# Altium PCB mod_duo_dwarf.PcbDoc (part 1 of 3) (continued)
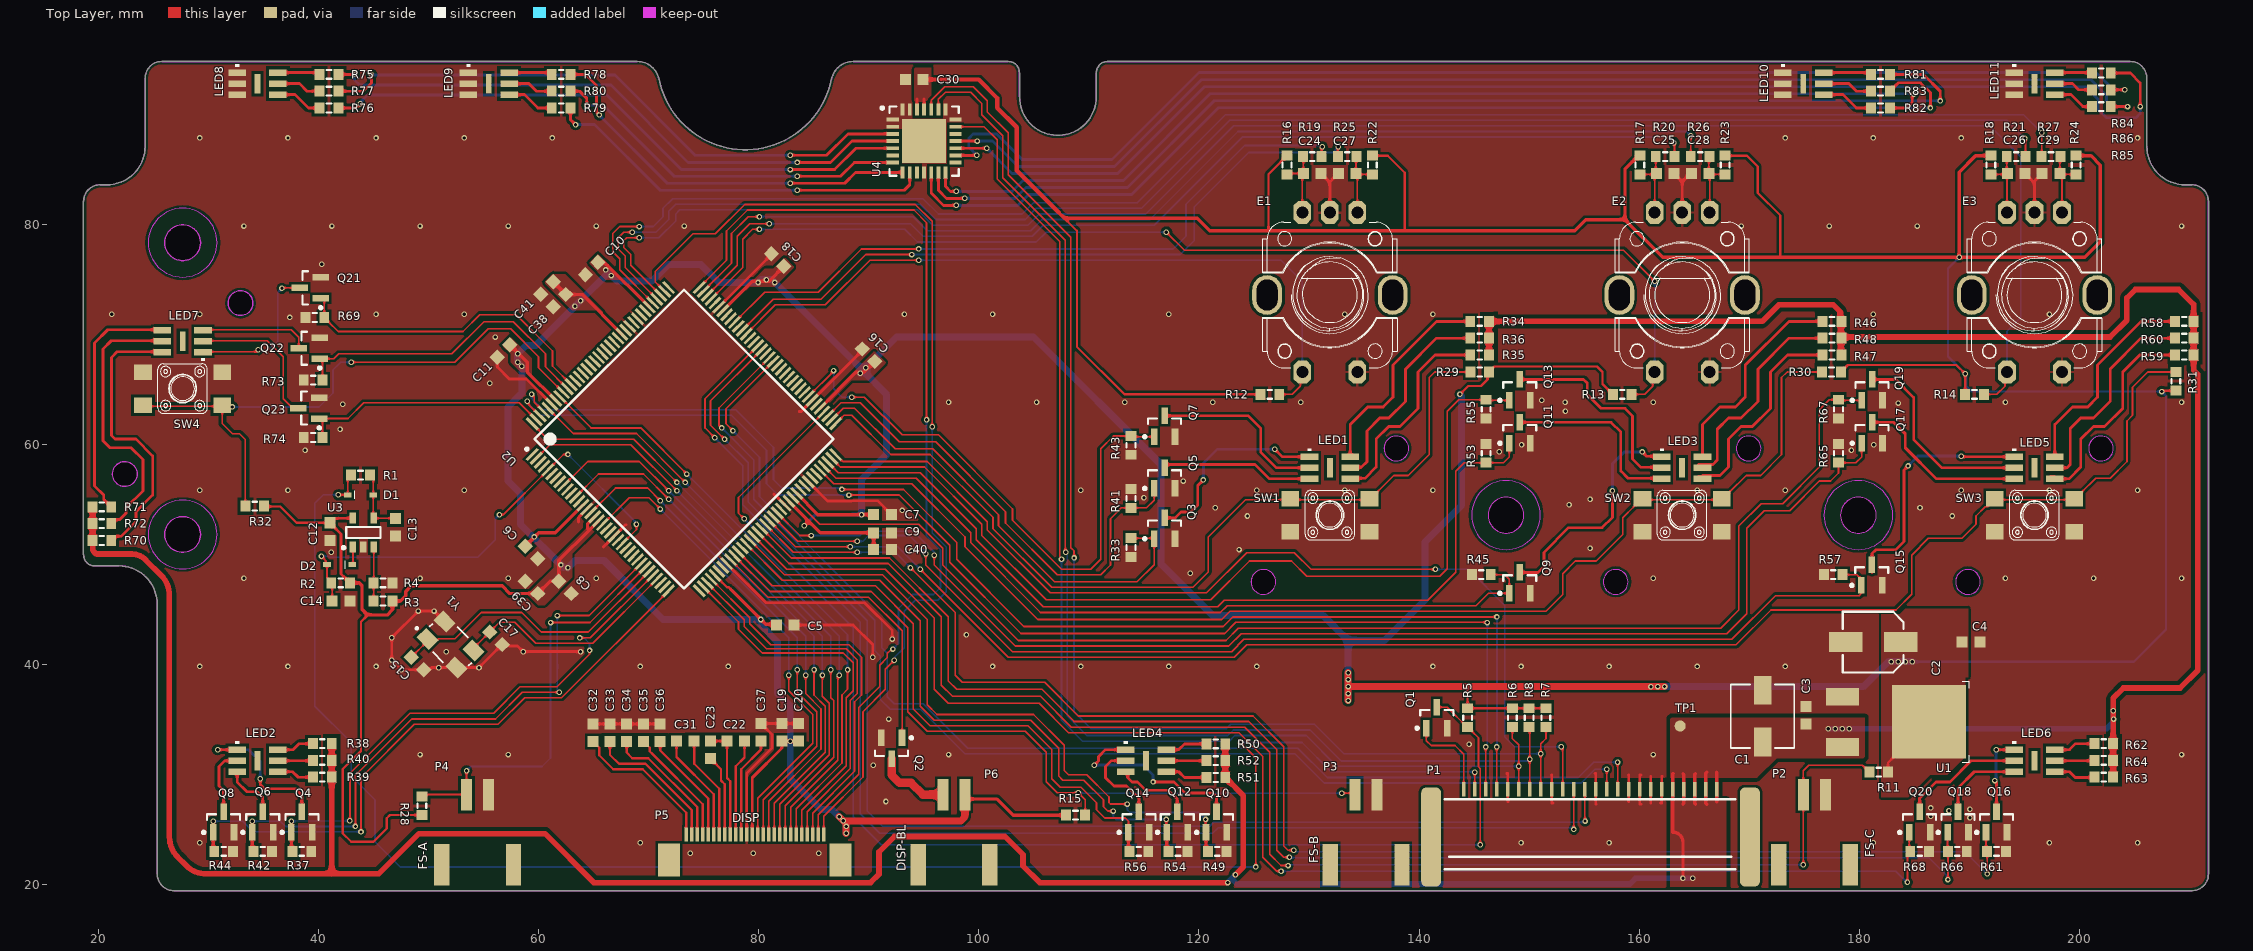
[diagram p0: Top Layer view]
## Part data (continued)
C13 C19: library part GRM188R61A106KE69D, "CAP CER 10UF 10V X5R 0603", Case/Package=0603, Case Code (Metric)=1608, Dielectric=X5R, Manufacturer 1=Murata, Max Operating Temperature=85°C, Min Operating Temperature=-55°C, Supplier Part Number 1=490-10474-1-ND, Tolerance=10%, Voltage=10V, Capacitance=10uF, Case Code (Imperial)=0603, Depth=0.8mm, Height=0.8mm, Lead Free="Lead Free", Length=1.6mm, Manufacturer Part Number 1=GRM188R61A106KE69D, Mount="Surface Mount", Packaging="Tape and Reel", Pricing 1="1=0.22, 10=0.149, 100=0.0754, 500=0.05158, 1000=0.04563 (USD)", REACH SVHC="No SVHC", Stock 1=40000, Supplier 1=Digi-Key, Thickness=0.037inch, Voltage Rating=10V, Voltage Rating (DC)=10V, Width=0.031inch
C15 C17: library part C1608NP01H390J080AA, "CAP CER 39PF 50V NP0 0603", Case/Package=0603, Case Code (Metric)=1608, Dielectric=C0G, Manufacturer 1=TDK, Max Operating Temperature=150°C, Min Operating Temperature=-55°C, Package Quantity=4000, Supplier Part Number 1=445-14077-1-ND, Tolerance=5%, Voltage Rating=50V, Capacitance=39pF, Case Code (Imperial)=0603, Height=0.8mm, Length=0.063inch, Manufacturer Part Number 1=C1608NP01H390J080AA, Mount="Surface Mount", Packaging="Tape and Reel", Pricing 1="1=0.15, 10=0.106, 100=0.05, 500=0.03508, 1000=0.02904 (USD)", Stock 1=1503, Supplier 1=Digi-Key, Termination=SMD/SMT, Thickness=0.035inch, Voltage Rating (DC)=50V, Weight=7.1E-05oz, Width=0.031inch
C22 C23 C31 C32 C33 C34 C35 C36 C37: library part CL10A105KL8NNNC, "CAP CER 1UF 35V X5R 0603", Capacitance="1 µF", Case Size/Dimension=0603, Dielectric=X5R, Manufacturer 1=Samsung, Rated Voltage="35 V", Supplier Part Number 1=1276-1861-1-ND, Tolerance (%)="±10 %", ComponentLink1Description=https://datasheet.ciiva.com/25773/cl10a105kl8nnnc-25773809.pdf, ComponentLink1URL=https://datasheet.ciiva.com/25773/cl10a105kl8nnnc-25773809.pdf, ComponentLink2Description=https://datasheet.ciiva.com/16202/clseries-16202344.pdf, ComponentLink2URL=https://datasheet.ciiva.com/16202/clseries-16202344.pdf, Description 1="1µF ±10% 35V X5R Ceramic Capacitor -55°C ~ 85°C Surface Mount, MLCC 0603 (1608 Metric) 0.063\" L x 0.031\" W (1.60mm x 0.80mm)", Manufacturer Part Number 1=CL10A105KL8NNNC, Pricing 1="1=0.16, 10=0.117, 100=0.055, 500=0.0386, 1000=0.0319 (USD)", Stock 1=65224, Supplier 1=Digi-Key
C24 C25 C26 C27 C28 C29: library part 06035C-103KAT2A, "CAP CER 10000PF 50V X7R 0603", Capacitance=10nF, Case/Package=0603, Case Code (Metric)=1608, Dielectric=X7R, Dielectric Material=Ceramic, Insulation Resistance=100GR, Manufacturer 1="Kyocera AVX", Max Operating Temperature=125°C, Min Operating Temperature=-55°C, Package Quantity=1, Supplier Part Number 1=478-1227-1-ND, Tolerance=10%, Voltage=50V, Case Code (Imperial)=0603, ComponentLink1Description=https://datasheet.ciiva.com/1124/1679506-1124848.pdf, ComponentLink1URL=https://datasheet.ciiva.com/1124/1679506-1124848.pdf, ComponentLink2Description=https://datasheet.ciiva.com/2987/cx7r-2987824.pdf, ComponentLink2URL=https://datasheet.ciiva.com/2987/cx7r-2987824.pdf, ComponentLink3Description=https://datasheet.ciiva.com/150/cx7r-150227.pdf, ComponentLink3URL=https://datasheet.ciiva.com/150/cx7r-150227.pdf, ComponentLink4Description=https://datasheet.ciiva.com/150/cx7r-150228.pdf, ComponentLink4URL=https://datasheet.ciiva.com/150/cx7r-150228.pdf, ComponentLink5Description=https://datasheet.ciiva.com/150/cx7r-150229.pdf, ComponentLink5URL=https://datasheet.ciiva.com/150/cx7r-150229.pdf, ComponentLink6Description=https://datasheet.ciiva.com/16209/cx7r-16209238.pdf, ComponentLink6URL=https://datasheet.ciiva.com/16209/cx7r-16209238.pdf, ComponentLink7Description=https://datasheet.ciiva.com/15212/getdatasheetpartid-87506-15212295.pdf, ComponentLink7URL=https://datasheet.ciiva.com/15212/getdatasheetpartid-87506-15212295.pdf, ComponentLink8Description=https://datasheet.ciiva.com/5423/cx7r-218113-5423178.pdf, ComponentLink8URL=https://datasheet.ciiva.com/5423/cx7r-218113-5423178.pdf, ComponentLink9Description=https://datasheet.ciiva.com/7855/1679506-7855082.pdf, ComponentLink9URL=https://datasheet.ciiva.com/7855/1679506-7855082.pdf, ComponentLink10Description=https://datasheet.ciiva.com/14585/70001075-14585146.pdf, ComponentLink10URL=https://datasheet.ciiva.com/14585/70001075-14585146.pdf, ComponentLink11Description=https://datasheet.ciiva.com/25901/cx7r-25901100.pdf, ComponentLink11URL=https://datasheet.ciiva.com/25901/cx7r-25901100.pdf, ComponentLink12Description=https://datasheet.ciiva.com/1124/1679506-1124847.pdf, ComponentLink12URL=https://datasheet.ciiva.com/1124/1679506-1124847.pdf, ComponentLink13Description=https://datasheet.ciiva.com/2987/cx7r-2987823.pdf, ComponentLink13URL=https://datasheet.ciiva.com/2987/cx7r-2987823.pdf, Contact Plating=Tin,Matte, Depth=0.81mm, Dissipation Factor=2.5%, Height=0.9mm, Lead Free="Lead Free", Length=1.6mm, Manufacturer Part Number 1=06035C-103KAT2A, Mount="Surface Mount,PCB", Number of Pins=2, Packaging="Tape and Reel", Pricing 1="1=0.1, 10=0.075, 100=0.0334, 500=0.02388, 1000=0.01877 (USD)", Radiation Hardening=No, REACH SVHC="No SVHC", Stock 1=40000, Supplier 1=Digi-Key, Termination=SMD/SMT, Thickness=0.035inch, Voltage Rating=50V, Voltage Rating (DC)=50V, Width=0.032inch
C40 C41: library part CL10A225KP8NNNC, "CAP CER 2.2UF 10V X5R 0603", Case/Package=0603, Case Code (Metric)=1608, Dielectric=X5R, Manufacturer 1=Samsung, Max Operating Temperature=85°C, Min Operating Temperature=-55°C, Package Quantity=1, Supplier Part Number 1=1276-1085-1-ND, Tolerance=10%, Voltage=10V, Capacitance=2.2uF, Case Code (Imperial)=0603, ComponentLink1Description=https://datasheet.ciiva.com/25799/cl10a225kp8nnnc-25799697.pdf?src-supplier=Digi-Key, ComponentLink1URL=https://datasheet.ciiva.com/25799/cl10a225kp8nnnc-25799697.pdf?src-supplier=Digi-Key, ComponentLink2Description=https://datasheet.ciiva.com/26838/getdatasheetpartid-358617-26838359.pdf?src-supplier=Verical, ComponentLink2URL=https://datasheet.ciiva.com/26838/getdatasheetpartid-358617-26838359.pdf?src-supplier=Verical, ComponentLink3Description=https://datasheet.ciiva.com/29198/457945-da-01-en-vs-kondensator-0603-29198592.pdf?src-supplier=Conrad, ComponentLink3URL=https://datasheet.ciiva.com/29198/457945-da-01-en-vs-kondensator-0603-29198592.pdf?src-supplier=Conrad, Depth=0.8mm, Height=0.8mm, Lead Free="Lead Free", Length=1.6mm, Manufacturer Part Number=CL10A225KP8NNNC, Material=Ceramic, Mount="Surface Mount", Packaging="Tape and Reel", Pricing 1="1=0.10000, 10=0.07600, 100=0.03400, 500=0.02426, 1000=0.01906 (USD)", Radiation Hardening=No, RoHS=Yes, Stock 1=320107, Supplier 1=Digi-Key, Thickness=0.035inch, Voltage Rating=10V, Voltage Rating (DC)=10V, Width=0.031inch
D1 D2: library part 1N4148WS-7-F, "DIODE SWITCHING 75V 0.15A SOD323", Average Rectified Current=150mA, Capacitance=2pF, Current=2A, Forward Current=300mA, Forward Voltage=1.25V, Manufacturer 1=Diodes, Max Operating Temperature=150°C, Max Repetitive Reverse Voltage (Vrrm)=75V, Min Operating Temperature=-65°C, Package Quantity=3000, Peak Reverse Current=1uA, Power Dissipation=200mW, Supplier Part Number 1=1N4148WS-FDICT-ND, ComponentLink1Description=https://datasheet.ciiva.com/16199/ds30097-16199061.pdf, ComponentLink1URL=https://datasheet.ciiva.com/16199/ds30097-16199061.pdf, ComponentLink2Description=https://datasheet.ciiva.com/16472/ds30097-16472599.pdf, ComponentLink2URL=https://datasheet.ciiva.com/16472/ds30097-16472599.pdf, ComponentLink3Description=https://datasheet.ciiva.com/1179/ds30097-1179355.pdf, ComponentLink3URL=https://datasheet.ciiva.com/1179/ds30097-1179355.pdf, ComponentLink4Description=https://datasheet.ciiva.com/8300/ds30097-8300396.pdf, ComponentLink4URL=https://datasheet.ciiva.com/8300/ds30097-8300396.pdf, ComponentLink5Description=https://datasheet.ciiva.com/911/ds30097-911741.pdf, ComponentLink5URL=https://datasheet.ciiva.com/911/ds30097-911741.pdf, ComponentLink6Description=https://datasheet.ciiva.com/911/ds30097-911742.pdf, ComponentLink6URL=https://datasheet.ciiva.com/911/ds30097-911742.pdf, ComponentLink7Description=https://datasheet.ciiva.com/25946/ds30097-25946926.pdf, ComponentLink7URL=https://datasheet.ciiva.com/25946/ds30097-25946926.pdf, ComponentLink8Description=https://datasheet.ciiva.com/911/ds30097-911743.pdf, ComponentLink8URL=https://datasheet.ciiva.com/911/ds30097-911743.pdf, Contact Plating=Tin,Matte, Current Rating=150mA, Element Configuration=Single, Height=1mm, Lead Free="Lead Free", Length=1.8mm, Manufacturer Part Number 1=1N4148WS-7-F, Max Forward Surge Current (Ifsm)=2A, Max Reverse Voltage (DC)=75V, Max Surge Current=2A, Mount="Surface Mount", Number of Pins=2, Output Current=150mA, Packaging="Tape and Reel", Peak Non-Repetitive Surge Current=2A, Polarity=Standard, Power Rating=200mW, Pricing 1="1=0.19, 10=0.171, 100=0.0932, 500=0.05736, 1000=0.03911 (USD)", Radiation Hardening=No, REACH SVHC="No SVHC", Recovery Time=4ns, Reverse Recovery Time=4ns, Stock 1=557451, Supplier 1=Digi-Key, Voltage=75V, Voltage Rating (DC)=75V, Weight=0.000173oz, Width=1.4mm
E1 E2 E3: library part PEC11R-4215F-S0024, "ENCODER ROTARY 15MM SHAFT", Manufacturer 1=Bourns, Max Operating Temperature=70°C, Min Operating Temperature=-30°C, Package Quantity=150, Supplier Part Number 1=PEC11R-4215F-S0024-ND, Built in Switch=Yes, ComponentLink1Description=https://datasheet.ciiva.com/26917/getdatasheetpartid-730131-26917851.pdf, ComponentLink1URL=https://datasheet.ciiva.com/26917/getdatasheetpartid-730131-26917851.pdf, ComponentLink2Description=https://datasheet.ciiva.com/12175/pec11r-221203-12175422.pdf, ComponentLink2URL=https://datasheet.ciiva.com/12175/pec11r-221203-12175422.pdf, Detent=Yes, Encoder Type=Mechanical, Height=13.4mm, Hole Diameter=1.8mm, Length=21.5mm, Manufacturer Part Number 1=PEC11R-4215F-S0024, Mount="Through Hole,Panel,PCB", Number of Channels=2, Orientation=Vertical, Output Type=Quadrature,Incremental, Packaging=Bulk, Pricing 1="1=1.68, 10=1.566, 25=1.4792, 50=1.305, 150=1.073, 300=1.044, 600=0.986, 1050=0.928, 5100=0.812 (USD)", Pulses per Revolution=24, Radiation Hardening=No, REACH SVHC="No SVHC", Stock 1=2746, Supplier 1=Digi-Key, Termination="PC Pins", Type=Mechanical, Width=12.5mm
LED1 LED2 LED3 LED4 LED5 LED6 LED7 LED8 LED9 LED10 LED11: "LED RGB 6PLCC SMD", Manufacturer 1="American Bright", Supplier Part Number 1=BL-HJXGXBX32NCT-ND, Manufacturer Part Number 1=BL-HJXGXBX32N, Packaging="Cut Tape", Pricing 1="1=0.59000, 10=0.42700, 100=0.27880, 500=0.20040, 1000=0.15683 (USD)", RoHS=No, Stock 1=23855, Supplier 1=Digi-Key
P1: "FLEX CONNECTOR, 1.00MM PITCH, HE", Manufacturer 1="Amphenol ICC / FCI", Supplier Part Number 1=609-F51L-1A7H1-11024CT-ND, Category="FFC / FPC", Manufacturer Part Number 1=F51L-1A7H1-11024, Pricing 1="1=0.77000, 10=0.67500, 25=0.61680, 50=0.58060, 100=0.55640, 250=0.50804, 500=0.48384 (USD)", Stock 1=1646, Supplier 1=Digi-Key
P2 P3 P4 P6: "CONN 2 POS SMD 2MM PITCH"
P5: "CONN ZIF 26 TOP PIN SMT"
Q1 Q2 Q3 Q4 Q5 Q6 Q7 Q8 Q9 Q10 Q11 Q12 Q13 Q14 Q15 Q16 Q17 Q18 Q19 Q20 Q21 Q22 Q23: "MOSFET N-CH 60V 115MA SOT-23", Case/Package=SOT-23, Continuous Drain Current (ID)=115mA, Drain to Source Breakdown Voltage=60V, Drain to Source Resistance=1.2R, Gate to Source Voltage (Vgs)=20V, Input Capacitance=50pF, Manufacturer 1="ON Semiconductor / Fairchild", Max Operating Temperature=150°C, Max Power Dissipation=200mW, Min Operating Temperature=-55°C, On-State Resistance=5.3R, Package Quantity=1, Supplier Part Number 1=2N7002NCT-ND, Threshold Voltage=2.1V, ComponentLink1Description=https://datasheet.ciiva.com/931/2n7000-931777.pdf, ComponentLink1URL=https://datasheet.ciiva.com/931/2n7000-931777.pdf, ComponentLink2Description=https://datasheet.ciiva.com/27746/47-0120-27746881.pdf, ComponentLink2URL=https://datasheet.ciiva.com/27746/47-0120-27746881.pdf, ComponentLink3Description=https://datasheet.ciiva.com/1254/2n7002-1254451.pdf, ComponentLink3URL=https://datasheet.ciiva.com/1254/2n7002-1254451.pdf, ComponentLink4Description=https://datasheet.ciiva.com/15137/getdatasheetpartid-93547-15137771.pdf, ComponentLink4URL=https://datasheet.ciiva.com/15137/getdatasheetpartid-93547-15137771.pdf, ComponentLink5Description=https://datasheet.ciiva.com/931/2n7000-931762.pdf, ComponentLink5URL=https://datasheet.ciiva.com/931/2n7000-931762.pdf, ComponentLink6Description=https://datasheet.ciiva.com/931/2n7000-931763.pdf, ComponentLink6URL=https://datasheet.ciiva.com/931/2n7000-931763.pdf, ComponentLink7Description=https://datasheet.ciiva.com/931/2n7000-931764.pdf, ComponentLink7URL=https://datasheet.ciiva.com/931/2n7000-931764.pdf, ComponentLink8Description=https://datasheet.ciiva.com/1254/660093-1254452.pdf, ComponentLink8URL=https://datasheet.ciiva.com/1254/660093-1254452.pdf, ComponentLink9Description=https://datasheet.ciiva.com/1188/660093-1188359.pdf, ComponentLink9URL=https://datasheet.ciiva.com/1188/660093-1188359.pdf, ComponentLink10Description=https://datasheet.ciiva.com/1188/660093-1188361.pdf, ComponentLink10URL=https://datasheet.ciiva.com/1188/660093-1188361.pdf, ComponentLink11Description=https://datasheet.ciiva.com/17007/2n7002-17007243.pdf, ComponentLink11URL=https://datasheet.ciiva.com/17007/2n7002-17007243.pdf, ComponentLink12Description=https://datasheet.ciiva.com/3304/nds7002a-3304380.pdf, ComponentLink12URL=https://datasheet.ciiva.com/3304/nds7002a-3304380.pdf, ComponentLink13Description=https://datasheet.ciiva.com/3304/nds7002a-3304381.pdf, ComponentLink13URL=https://datasheet.ciiva.com/3304/nds7002a-3304381.pdf, ComponentLink14Description=https://datasheet.ciiva.com/22655/660093-22655230.pdf, ComponentLink14URL=https://datasheet.ciiva.com/22655/660093-22655230.pdf, Contact Plating=Tin,Matte, Current=115mA, Current Rating=115mA, Drain to Source Voltage (Vdss)=60V, Dual Supply Voltage=60V, Element Configuration=Single, Height=0.93mm, Lead Free="Lead Free", Length=2.92mm, Manufacturer Part Number 1=2N7002, Mount="Surface Mount", Nominal Vgs=2.1V, Number of Elements=1, Number of Pins=3, Packaging="Tape and Reel", Power Dissipation=200mW, Pricing 1="1=0.33, 10=0.304, 100=0.17, 500=0.09108, 1000=0.06193 (USD)", Radiation Hardening=No, Rds On Max=7.5R, REACH SVHC="No SVHC", Stock 1=111118, Supplier 1=Digi-Key, Voltage=60V, Voltage Rating (DC)=60V, Width=3.05mm
R1: library part RMCF0603JT160K, "RES SMD 160K OHM 5% 1/10W 0603", Case/Package=0603, Case Code (Metric)=1608, Manufacturer 1="Stackpole Electronics", Max Operating Temperature=155°C, Max Power Dissipation=100mW, Min Operating Temperature=-55°C, Resistance=160kR, Supplier Part Number 1=RMCF0603JT160KCT-ND, Temperature Coefficient=100ppm/°C, Tolerance=5%, Case Code (Imperial)=0603, Composition="Thick Film", Contact Plating=Tin,Matte, Features="Automotive AEC-Q200", Height=0.022inch, Lead Free="Lead Free", Length=0.061inch, Manufacturer Part Number 1=RMCF0603JT160K, Mount="Surface Mount", Number of Terminations=2, Packaging="Tape and Reel", Power Rating=100mW, Pricing 1="1=0.1, 10=0.016, 100=0.0064, 1000=0.00289, 2500=0.0025 (USD)", Radiation Hardening=No, Stock 1=10640, Supplier 1=Digi-Key, Width=0.031inch
R2 R3 R4 R5 R11 R12 R13 R14 R15 R16 R17 R18 R19 R20 R21 R22 R23 R24 R25 R26 R27 R28 R29 R30 R31 R32: library part AC0603JR-0710KL, "RES SMD 10K OHM 5% 1/10W 0603", Case/Package=0603, Case Code (Metric)=1608, Manufacturer 1=Yageo, Max Operating Temperature=155°C, Max Power Dissipation=100mW, Min Operating Temperature=-55°C, Package Quantity=1, Resistance=10kR, Supplier Part Number 1=311-10KLECT-ND, Temperature Coefficient=100ppm/°C, Tolerance=5%, Voltage Rating=50V, Case Code (Imperial)=0603, ComponentLink1Description=https://datasheet.ciiva.com/5562/pyu-ac-51-rohs-l-2-5562553.pdf, ComponentLink1URL=https://datasheet.ciiva.com/5562/pyu-ac-51-rohs-l-2-5562553.pdf, Composition="Thick Film", Depth=0.8mm, Features="Moisture Resistant,Automotive AEC-Q200,Anti-Sulfur", Height=0.022inch, Lead Free="Lead Free", Length=0.063inch, Manufacturer Part Number 1=AC0603JR-0710KL, Military Standard=Not, Number of Terminations=2, Packaging="Tape and Reel", Power Rating=100mW, Pricing 1="1=0.1, 10=0.032, 100=0.0131, 1000=0.00588, 2500=0.0051 (USD)", Stock 1=60451, Supplier 1=Digi-Key, Termination=SMD/SMT, Width=0.031inch
R6 R7 R8 R33 R37 R41 R42 R43 R44 R45 R49 R53 R54 R55 R56 R57 R61 R65 R66 R67 R68 R69 R73 R74: library part ESR03EZPJ104, "RES SMD 100K OHM 5% 1/4W 0603", Case/Package=0603, Case Code (Metric)=1608, Manufacturer 1=Rohm, Max Operating Temperature=155°C, Max Power Dissipation=250mW, Min Operating Temperature=-55°C, Package Quantity=1, Power Rating=200mW, Resistance=100kR, Supplier Part Number 1=RHM100KDCT-ND, Temperature Coefficient=200ppm/°C, Tolerance=5%, Case Code (Imperial)=0603, ComponentLink1Description=https://datasheet.ciiva.com/14930/esr-14930633.pdf, ComponentLink1URL=https://datasheet.ciiva.com/14930/esr-14930633.pdf, ComponentLink2Description=https://datasheet.ciiva.com/14924/esr-14924811.pdf, ComponentLink2URL=https://datasheet.ciiva.com/14924/esr-14924811.pdf, ComponentLink3Description=https://datasheet.ciiva.com/14928/esr-14928813.pdf, ComponentLink3URL=https://datasheet.ciiva.com/14928/esr-14928813.pdf, Composition="Thick Film", Height=0.022inch, Lead Free="Lead Free", Length=0.063inch, Manufacturer Part Number 1=ESR03EZPJ104, Number of Terminations=2, Packaging="Cut Tape", Pricing 1="1=0.1, 10=0.087, 100=0.0333, 1000=0.01464, 2500=0.01264 (USD)", Stock 1=17901, Supplier 1=Digi-Key, Width=0.031inch
R34 R38 R46 R50 R58 R62 R70: library part AC0603JR-07560RL, "RES SMD 560 OHM 5% 1/10W 0603", Case/Package=0603, Case Code (Metric)=1608, Manufacturer 1=Yageo, Max Operating Temperature=155°C, Max Power Dissipation=100mW, Min Operating Temperature=-55°C, Supplier Part Number 1=YAG3681CT-ND, Temperature Coefficient=100ppm/°C, Tolerance=5%, Voltage Rating=50V, Case Code (Imperial)=0603, ComponentLink1Description=http://www.yageo.com/NewPortal/yageodocoutput?fileName=/pdf/R-Chip/PYu-AC_51_RoHS_L_6.pdf, ComponentLink1URL=http://www.yageo.com/NewPortal/yageodocoutput?fileName=/pdf/R-Chip/PYu-AC_51_RoHS_L_6.pdf, ComponentLink2Description=http://www.mouser.com/ds/2/447/yageodocoutput-1111992.pdf, ComponentLink2URL=http://www.mouser.com/ds/2/447/yageodocoutput-1111992.pdf, Composition="Thick Film", Height=0.022inch, Length=0.063inch, Manufacturer Part Number 1=AC0603JR-07560RL, Number of Terminations=2, Packaging="Tape and Reel", Power Rating=100mW, Pricing 1="1=0.1, 10=0.026, 100=0.0107, 1000=0.00478, 2500=0.00415 (USD)", Resistance=560R, Stock 1=24630, Supplier 1=Digi-Key, Termination=SMD/SMT, Width=0.031inch
R35 R36 R39 R40 R47 R48 R51 R52 R59 R60 R63 R64 R71 R72: library part RMCF0603JT470R, "RES SMD 470 OHM 5% 1/10W 0603", Case/Package=0603, Case Code (Metric)=1608, Manufacturer 1="Stackpole Electronics", Max Operating Temperature=155°C, Max Power Dissipation=100mW, Min Operating Temperature=-55°C, Package Quantity=1, Supplier Part Number 1=RMCF0603JT470RCT-ND, Temperature Coefficient=100ppm/°C, Tolerance=5%, Working Voltage=75V, Case Code (Imperial)=0603, ComponentLink1Description=https://datasheet.ciiva.com/15193/getdatasheetpartid-360691-15193516.pdf, ComponentLink1URL=https://datasheet.ciiva.com/15193/getdatasheetpartid-360691-15193516.pdf, Composition="Thick Film", Contact Plating=Tin,Matte, Depth=0.8mm, Features="Automotive AEC-Q200", Height=0.022inch, Lead Free="Lead Free", Length=1.55mm, Manufacturer Part Number 1=RMCF0603JT470R, Military Standard=Not, Mount="Surface Mount", Number of Terminations=2, Packaging="Tape and Reel", Power Rating=100mW, Pricing 1="1=0.1, 10=0.013, 100=0.0051, 1000=0.0023, 2500=0.002 (USD)", Radiation Hardening=No, Resistance=470R, Stock 1=1799, Supplier 1=Digi-Key, Width=0.031inch
R75 R76 R77 R78 R79 R80 R81 R82 R83 R84 R85 R86: library part CRCW0603220RJNEA, "RES SMD 220 OHM 5% 1/10W 0603", Case/Package=0603, Case Code (Metric)=1608, Manufacturer 1=Vishay, Max Operating Temperature=155°C, Max Power Dissipation=100mW, Min Operating Temperature=-55°C, Package Quantity=1, Supplier Part Number 1=541-220GCT-ND, Temperature Coefficient=200ppm/°C, Tolerance=5%, Voltage Rating=75V, Case Code (Imperial)=0603, ComponentLink1Description=https://datasheet.ciiva.com/2524/dcrcwe3-2524384.pdf, ComponentLink1URL=https://datasheet.ciiva.com/2524/dcrcwe3-2524384.pdf, ComponentLink2Description=https://datasheet.ciiva.com/2524/dcrcwe3-2524385.pdf, ComponentLink2URL=https://datasheet.ciiva.com/2524/dcrcwe3-2524385.pdf, ComponentLink3Description=https://datasheet.ciiva.com/2524/dcrcwe3-2524386.pdf, ComponentLink3URL=https://datasheet.ciiva.com/2524/dcrcwe3-2524386.pdf, ComponentLink4Description=https://datasheet.ciiva.com/8339/dcrcwe3-8339958.pdf, ComponentLink4URL=https://datasheet.ciiva.com/8339/dcrcwe3-8339958.pdf, ComponentLink5Description=https://datasheet.ciiva.com/22869/70201119-22869142.pdf, ComponentLink5URL=https://datasheet.ciiva.com/22869/70201119-22869142.pdf, ComponentLink6Description=https://datasheet.ciiva.com/46448/1807946-46448601.pdf, ComponentLink6URL=https://datasheet.ciiva.com/46448/1807946-46448601.pdf, ComponentLink7Description=https://datasheet.ciiva.com/5550/dcrcwe3-109170-5550730.pdf, ComponentLink7URL=https://datasheet.ciiva.com/5550/dcrcwe3-109170-5550730.pdf, Composition="Thick Film", Contact Plating=Tin, Depth=0.85mm, Features="Automotive AEC-Q200", Height=0.45mm, Length=1.55mm, Manufacturer Part Number 1=CRCW0603220RJNEA, Military Standard=Not, Mount="Surface Mount", Number of Terminations=2, Packaging="Tape and Reel", Power Rating=100mW, Pricing 1="1=0.1, 10=0.031, 100=0.0125, 1000=0.00563, 2500=0.00488 (USD)", Radiation Hardening=No, REACH SVHC=Unknown, Resistance=220R, Stock 1=284000, Supplier 1=Digi-Key, Termination=SMD/SMT, Weight=7.1E-05oz, Width=0.033inch, Working Voltage=75V
SW1 SW2 SW3 SW4: library part TL3305AF160QG, "SWITCH TACTILE SPST-NO 50MA 12V", Manufacturer 1=E-Switch, Max Operating Temperature=70°C, Min Operating Temperature=-20°C, Operating Force=160gf, Supplier Part Number 1=EG5350CT-ND, Illumination Type=Non-Illuminated, Lead Free="Lead Free", Manufacturer Part Number 1=TL3305AF160QG, Mechanical Life=500000Cycles, Mount="Surface Mount", Packaging="Tape and Reel", Pricing 1="1=0.22, 10=0.217, 25=0.2096, 50=0.202, 100=0.1907, 250=0.17952, 500=0.17204, 1000=0.1309 (USD)", Stock 1=67156, Supplier 1=Digi-Key, Switch Function=Off-Mom, Switch Travel=0.2mm, Termination="Gull Wing", Throw Configuration=SPST
U1: library part IC_NCP1117DT33G, "IC REG LDO 3.3V 1A DPAK", Case/Package=DPAK, Dropout Voltage=1.07V, Input Bias Current=6mA, Manufacturer 1="ON Semiconductor", Max Input Voltage=20V, Max Operating Temperature=125°C, Max Output Current=1A, Min Operating Temperature=0°C, Min Output Voltage=3.3V, Output Voltage Accuracy=1%, Package Quantity=75, Supplier Part Number 1=NCP1117DT33GOS-ND, Accuracy=1%, Contact Plating=Matte,Tin, Halogen Free="Halogen Free", Height=2.38mm, Lead Free="Lead Free", Length=6.73mm, Manufacturer Part Number 1=NCP1117DT33G, Min Current Limit=1A, Mount="Surface Mount", Nominal Output Voltage=3.3V, Number of Outputs=1, Number of Pins=3, Number of Regulators=1, Output Current=1A, Output Type=Fixed, Output Voltage=3.3V, Packaging=Rail/Tube, Polarity=Positive, Pricing 1="1=0.44, 75=0.3504, 150=0.28027, 525=0.22023, 1050=0.17017 (USD)", Quiescent Current=6mA, Radiation Hardening=No, REACH SVHC="No SVHC", Stock 1=3065, Supplier 1=Digi-Key, Width=6.22mm
U2: library part LPC1778FBD144,551, "IC MCU 32BIT 512KB FLASH 144LQFP", Case/Package=LQFP, Frequency=120MHz, Manufacturer 1="NXP Semiconductors", Max Operating Temperature=85°C, Max Power Dissipation=1.5W, Max Supply Voltage=3.6V, Min Operating Temperature=-40°C, Min Supply Voltage=2.4V, Operating Supply Voltage=3.3V, Package Quantity=60, Supplier Part Number 1=568-7571-ND, ComponentLink1Description=https://datasheet.ciiva.com/5700/1713929-5700204.pdf?src-supplier=Farnell, ComponentLink1URL=https://datasheet.ciiva.com/5700/1713929-5700204.pdf?src-supplier=Farnell, ComponentLink2Description=https://datasheet.ciiva.com/29721/lpc178x-7x-29721694.pdf?src-supplier=Digi-Key, ComponentLink2URL=https://datasheet.ciiva.com/29721/lpc178x-7x-29721694.pdf?src-supplier=Digi-Key, ComponentLink3Description=https://datasheet.ciiva.com/8010/1859465-8010171.pdf?src-supplier=Element14, ComponentLink3URL=https://datasheet.ciiva.com/8010/1859465-8010171.pdf?src-supplier=Element14, Contact Plating=Tin, Core Architecture=ARM, Data Bus Width=32b, Height=1.45mm, Interface=I2C,SPI,USB,CAN,Ethernet,SSP,UART,USART,EBI/EMI,I2S, Lead Free="Lead Free", Length=20.1mm, Manufacturer Part Number=LPC1778FBD144,551, Max Frequency=120MHz, Memory Size=512KB, Memory Type=FLASH, Mount="Surface Mount", Number of ADC Channels=8, Number of Ethernet Channels=1, Number of I2C Channels=3, Number of I/Os=109, Number of Pins=144, Number of Programmable I/O=165, Number of PWM Channels=6, Number of SPI Channels=3, Number of Timers/Counters=4, Number of UART Channels=5, Oscillator Type=Internal, Packaging=Tray, Peripherals="Brown-out Detect/Reset,POR,PWM,WDT,DMA,I2C", Pricing 1="1=11.62000, 10=10.49800, 25=10.01000, 100=8.69170, 250=8.30112, 500=7.56866, 1000=6.59205 (USD)", Radiation Hardening=No, RAM Size=96KB, REACH SVHC="No SVHC", RoHS=Yes, Stock 1=0, Supplier 1=Digi-Key, Watchdog Timer=Yes, Width=20.1mm
U3: library part IC_MCP6001T-I/OT, "IC OPAMP GP 1MHZ RRO SOT23-5", Case/Package=SOT-23, Input Bias Current=1pA, Input Offset Voltage (Vos)=4.5mV, Manufacturer 1=Microchip, Manufacturer Part Number 1=MCP6001T-I/OT, Max Operating Temperature=85°C, Max Supply Voltage=6V, Min Operating Temperature=-40°C, Min Supply Voltage=1.8V, Nominal Supply Current=100uA, Operating Supply Voltage=5.5V, Output Current=23mA, Package Quantity=1, Power Supply Rejection Ratio (PSRR)=86dB, Supplier Part Number 1=MCP6001T-I/OTCT-ND, Voltage Gain=112dB, Bandwidth=1MHz, Common Mode Rejection Ratio=60dB, ComponentLink1Description=https://datasheet.ciiva.com/1793/21733j-1793040.pdf, ComponentLink1URL=https://datasheet.ciiva.com/1793/21733j-1793040.pdf, ComponentLink2Description=https://datasheet.ciiva.com/16199/filehandler-aspxddocname-en011705-16199408.pdf, ComponentLink2URL=https://datasheet.ciiva.com/16199/filehandler-aspxddocname-en011705-16199408.pdf, ComponentLink3Description=https://datasheet.ciiva.com/26344/651487-da-01-en-ic-opamp-mcp6001t-i-ot-sot-23-5-mcp-26344500.pdf, ComponentLink3URL=https://datasheet.ciiva.com/26344/651487-da-01-en-ic-opamp-mcp6001t-i-ot-sot-23-5-mcp-26344500.pdf, ComponentLink4Description=https://datasheet.ciiva.com/1793/21733j-1793041.pdf, ComponentLink4URL=https://datasheet.ciiva.com/1793/21733j-1793041.pdf, ComponentLink5Description=https://datasheet.ciiva.com/1793/21733j-1793042.pdf, ComponentLink5URL=https://datasheet.ciiva.com/1793/21733j-1793042.pdf, ComponentLink6Description=https://datasheet.ciiva.com/16796/jp011705-16796421.pdf, ComponentLink6URL=https://datasheet.ciiva.com/16796/jp011705-16796421.pdf, ComponentLink7Description=https://datasheet.ciiva.com/8078/524878-8078826.pdf, ComponentLink7URL=https://datasheet.ciiva.com/8078/524878-8078826.pdf, ComponentLink8Description=https://datasheet.ciiva.com/14544/70045422-14544795.pdf, ComponentLink8URL=https://datasheet.ciiva.com/14544/70045422-14544795.pdf, ComponentLink9Description=https://datasheet.ciiva.com/8078/524878-8078829.pdf, ComponentLink9URL=https://datasheet.ciiva.com/8078/524878-8078829.pdf, ComponentLink10Description=https://datasheet.ciiva.com/14151/mcp6001-2-4-eng-tds-14151487.pdf, ComponentLink10URL=https://datasheet.ciiva.com/14151/mcp6001-2-4-eng-tds-14151487.pdf, Contact Plating=Tin,Matte, Gain Bandwidth Product=1MHz, Height=1.3mm, Lead Free="Lead Free", Length=3.1mm, Mount="Surface Mount", Number of Amplifiers=1, Number of Channels=1, Number of Circuits=1, Number of Elements=1, Number of Pins=5, Operating Supply Current=100uA, Output Current per Channel=23mA, Packaging="Tape and Reel", Pricing 1="1=0.25, 25=0.206 (USD)", Radiation Hardening=No, REACH SVHC="No SVHC", Slew Rate=0.6V/µs, Stock 1=3412, Supplier 1=Digi-Key, Unity Gain Bandwidth Product=1MHz, Voltage=6V, Width=1.8mm
U4: library part IC_PCA9685BS,118, "IC LED DRVR LIN DIM 25MA 28HVQFN", Case/Package=VQFN, Frequency=50MHz, Manufacturer 1="NXP Semiconductors", Manufacturer Part Number 1=PCA9685BS,118, Max Operating Temperature=85°C, Min Operating Temperature=-40°C, Output Voltage=5.5V, Package Quantity=1, Supplier Part Number 1=568-5305-1-ND, ComponentLink1Description=https://datasheet.ciiva.com/12278/pca9685-62190-12278354.pdf, ComponentLink1URL=https://datasheet.ciiva.com/12278/pca9685-62190-12278354.pdf, ComponentLink2Description=https://datasheet.ciiva.com/8125/pca9685-8125351.pdf, ComponentLink2URL=https://datasheet.ciiva.com/8125/pca9685-8125351.pdf, ComponentLink3Description=https://datasheet.ciiva.com/1945/pca9685-1945099.pdf, ComponentLink3URL=https://datasheet.ciiva.com/1945/pca9685-1945099.pdf, ComponentLink4Description=https://datasheet.ciiva.com/1945/pca9685-1945100.pdf, ComponentLink4URL=https://datasheet.ciiva.com/1945/pca9685-1945100.pdf, ComponentLink5Description=https://datasheet.ciiva.com/1945/pca9685-1945101.pdf, ComponentLink5URL=https://datasheet.ciiva.com/1945/pca9685-1945101.pdf, Contact Plating=Gold, Mount="Surface Mount", Number of Outputs=16, Number of Pins=28, Packaging="Tape and Reel", Pricing 1="1=2.46, 10=2.205, 100=1.7727, 500=1.45642, 1000=1.20675 (USD)", Radiation Hardening=No, Stock 1=4307, Supplier 1=Digi-Key
Y1: library part ECS-120-20-30B-AGL-TR, "CRYSTAL 12MHZ 20PF SMD", Case/Package=SMD/SMT, ESR (Equivalent Series Resistance)=80R, Frequency=12MHz, Frequency Stability=30ppm, Frequency Tolerance=25ppm, Load Capacitance=20pF, Manufacturer 1="ECS International", Max Operating Temperature=70°C, Min Operating Temperature=-10°C, Supplier Part Number 1=XC2731CT-ND, ComponentLink1Description=http://www.ecsxtal.com/store/pdf/ecx_53b.pdf?src-supplier=Digi-Key, ComponentLink1URL=http://www.ecsxtal.com/store/pdf/ecx_53b.pdf?src-supplier=Digi-Key, Manufacturer Part Number=ECS-120-20-30B-AGL-TR, Mount="Surface Mount", Packaging="Cut Tape", Pricing 1="1=0.63000, 10=0.52300, 50=0.47020, 100=0.41800, 500=0.39710 (USD)", RoHS=No, Stock 1=1011, Supplier 1=Digi-Key

## Via types
v1: diameter 0.5, hole 0.3, Top Layer to Bottom Layer, tented both sides, 335 vias

## Nets (pads, with @x,y where several pads share a name; then routed paths per layer and width w, separated by ;. In a path a pad name is that pad's centre, name@x,y a point inside that pad or via, vN(x,y) a via of type N, cw(c..) or ccw(c..) an arc to the next point about the centre after c; other vN are vias at no path point)
+3V3: C2.1 C4.2 C5.2 C6.2 C7.2 C8.2 C9.2 C10.2 C11.2 C12.2 C16.2 C18.2 C19.1 C20.1 C30.1 C38.2 C39.2 C40.2 C41.2 P5.14 P6.1 R2.1 R3.2 R5.1 R6.2 R7.2 R8.2 R11.1 R12.2 R13.2 R14.2 R15.1 R16.2 R17.2 R18.2 R22.2 R23.2 R24.2 R28.1 R29.2 R30.2 R31.2 R32.2 U1.2 U2.14 U2.17 U2.18 U2.41 U2.60 U2.62 U2.77 U2.102 U2.114 U2.121 U2.138 U3.5 U4.25 U4.26 | length 791
  Top Layer w0.203: R32.2@35.051,54.353 36.545,54.353 38.02,52.878 C12.2@41.054,52.878 ; 44.483,44.496 43.884,43.897 43.884,32.155 42.233,30.504 42.233,24.662 42.995,23.9 45.027,23.9 46.228,25.101 46.228,26.035 46.521,26.328 R28.1@49.403,26.328 ; U2.41@76.032,48.119 77.137,47.014 77.285,47.014 77.539,46.76 ; 107.765,80.542 108.908,79.399 108.908,68.858 113.226,64.54 R12.2@125.592,64.54 125.592,64.49 R12.2@125.94,64.142 ; 126.307,79.399 126.307,84.529 127.598,85.82 127.598,85.87 127.946,86.218 R16.2@127.996,86.218 ; R22.2@135.743,86.218 137.141,86.218 138.689,84.67 138.689,79.399 ; v1(143.706,64.54) 144.468,65.302 145.611,65.302 146.195,65.886 146.195,66.425 R29.2@146.342,66.572 146.342,66.622 146.69,66.97 146.74,66.97 146.85,67.08 156.152,67.08 156.66,66.572 156.66,65.472 157.194,64.938 157.244,64.938 157.592,64.59 R13.2@157.592,64.54 ; 144.526,37.997 144.399,37.87 R5.1@144.399,36.029 R6.2@148.463,36.029 R7.2@151.511,36.029 R7.2@151.55,36.068 ; R23.2@167.798,86.218 169.78,86.218 170.757,85.241 170.757,82.828 172.789,80.796 172.789,76.986 ; R30.2@178.299,66.572 178.299,66.622 178.647,66.97 178.697,66.97 178.934,67.207 188.791,67.207 v1(189.592,66.406) R14.2@189.592,64.54 ; R11.1@182.587,30.226 182.587,31.088 U1.2@186.297,34.798 ; v1(207.46,64.794) 207.54,64.794 207.618,64.872 R31.2@208.73,64.872
  Top Layer w0.254: R2.1@42.881,47.417 42.881,47.467 42.558,47.79 42.508,47.79 42.07,48.228 42.07,51.862 C12.2@41.054,52.878 41.465,53.289 U3.5@43.152,53.289 ; P5.14@79.416,24.562 79.416,29.714 82.111,32.409 C19.1@82.111,33.044 v1(82.873,33.044) C20.1@83.635,33.044 ; U4.26@94.379,90.399 94.379,91.344 94.394,91.359 ; U4.25@95.029,90.399 95.029,91.359
  Top Layer w0.305: R2.1@42.881,47.417 43.721,47.417 43.975,47.163 43.975,45.004 44.483,44.496 46.261,44.496 46.73,44.965 R3.2@46.73,45.766 47.462,45.766 47.948,46.252 47.948,46.633 48.456,47.141 56.711,47.141 57.404,46.448 C39.2@59.944,46.448 61.075,47.58 C8.2@61.86,47.58 61.86,49.469 64.599,52.207 ; C11.2@57.404,69.043 57.415,69.043 58.997,67.461 58.997,66.568 U2.138@61.571,63.994 ; C6.2@58.812,50.755 60.025,51.967 61.53,51.967 U2.14@64.046,54.483 ; C41.2@61.341,74.758 C38.2@62.484,73.615 63.971,73.615 U2.121@67.582,70.004 ; U2.17@65.107,53.423 64.458,52.774 64.458,52.348 64.599,52.207 ; C10.2@65.405,76.536 66,76.536 U2.114@70.057,72.479 ; U2.18@65.461,53.069 64.599,52.207 ; U2.102@76.739,72.126 79.44,74.827 80.956,74.827 C18.2@82.296,76.166 ; 77.539,46.76 80.645,43.654 C5.2@81.603,43.654 ; U2.60@82.749,54.837 84.564,53.023 ; U2.62@83.456,55.544 85.382,53.618 v1(89.35,53.618) C7.2@90.455,53.618 ; v1(84.14,52.599) 84.564,53.023 ; U2.77@85.578,63.287 88.863,66.572 89.604,66.572 90.551,67.519 C16.2@90.551,67.53 ; C40.2@90.455,50.443 C9.2@90.455,51.967 85.619,51.967 84.564,53.023 ; P6.1@98.679,28.095 98.741,28.032 98.99,27.783 101.654,27.783 103.124,26.313 R15.1@107.931,26.313 ; 107.257,81.05 107.765,80.542 119.83,80.542 120.973,79.399 123.259,79.399 154.12,79.399 155.136,80.415 158.692,80.415 ; R17.2@160.051,86.218 159.753,85.92 159.625,85.92 158.692,84.987 158.692,80.415 ; v1(189.045,76.986) 189.045,84.733 190.53,86.218 R18.2@191.93,86.218 ; R24.2@199.677,86.218 201.022,86.218 201.872,85.368 201.872,78.383 200.475,76.986 162.121,76.986 158.692,80.415
  Top Layer w0.381: R32.2@35.051,54.353 R32.2@35.082,54.322 ; C30.1@94.94,93.137 99.996,93.137 101.669,91.464 101.669,90.575 103.447,88.797 103.447,84.86 107.257,81.05
  Top Layer w0.635: v1(87.318,26.186) v1(87.699,25.805) ; v1(87.953,24.662) v1(87.953,25.297) 87.953,25.551 v1(87.699,25.805) ; P6.1@98.741,28.032 98.741,26.177 98.369,25.805 v1(87.699,25.805) ; v1(133.546,36.727) v1(133.546,37.362) v1(133.546,37.997) ; v1(133.546,39.267) v1(133.546,38.632) v1(133.546,37.997) ; v1(162.282,37.997) v1(133.546,37.997)
  Bottom Layer w0.203: v1(184.785,40.259) 204.92,40.259 207.841,43.18 207.841,64.413 v1(207.46,64.794) 190.188,64.794 189.68,65.302 189.68,66.139 189.649,66.17 189.649,66.349 v1(189.592,66.406) 188.029,67.969 188.029,75.97 v1(189.045,76.986)
  Bottom Layer w0.305: v1@84.143,52.602 85.159,53.618 v1(89.35,53.618)
  Bottom Layer w0.635: 62.299,48.792 58.362,52.729 58.362,55.523 57.219,56.666 57.219,63.397 58.489,64.667 v1(58.489,67.08) v1(58.108,67.461) v1(58.108,68.223) 58.87,68.985 59.759,68.985 v1(63.315,72.541) v1(63.823,73.049) 66.363,75.589 v1(66.617,75.335) 67.125,74.827 70.3,74.827 71.824,76.351 74.745,76.351 76.396,74.7 v1(79.952,74.7) 80.206,74.954 81.222,74.954 89.477,66.699 91.636,64.54 91.636,59.079 89.35,56.793 v1(89.35,53.618) ; v1(62.677,48.789) 63.315,49.427 65.982,49.427 71.319,44.09 v1(80.203,44.09) 80.203,43.588 81.73,42.061 81.73,37.362 82.873,36.219 v1(82.873,33.044) 82.873,29.615 85.667,26.821 86.683,26.821 87.953,25.551 v1(87.953,24.662) ; v1(89.223,66.445) 92.525,69.747 104.971,69.747 116.528,58.19 116.528,49.173 121.227,44.474 131.26,44.474 133.546,42.188 ; v1(133.546,36.727) v1(133.546,37.362) v1(133.546,37.997) v1(133.546,38.632) v1(133.546,39.267) 133.546,42.188 ; v1(143.706,64.54) 143.833,64.413 143.833,54.436 140.531,51.134 140.531,45.871 136.848,42.188 133.546,42.188 ; v1(161.053,37.984) 180.351,37.984 182.626,40.259 v1(184.785,40.259)
  other v1: 161.664,38 182.88,40.259 183.515,40.259 184.15,40.259 62.042,49.043 59.632,51.586 89.731,66.953 81.476,74.7 80.714,74.954 66.109,75.843